# KiCad board C816Pro.kicad_pcb (continued)
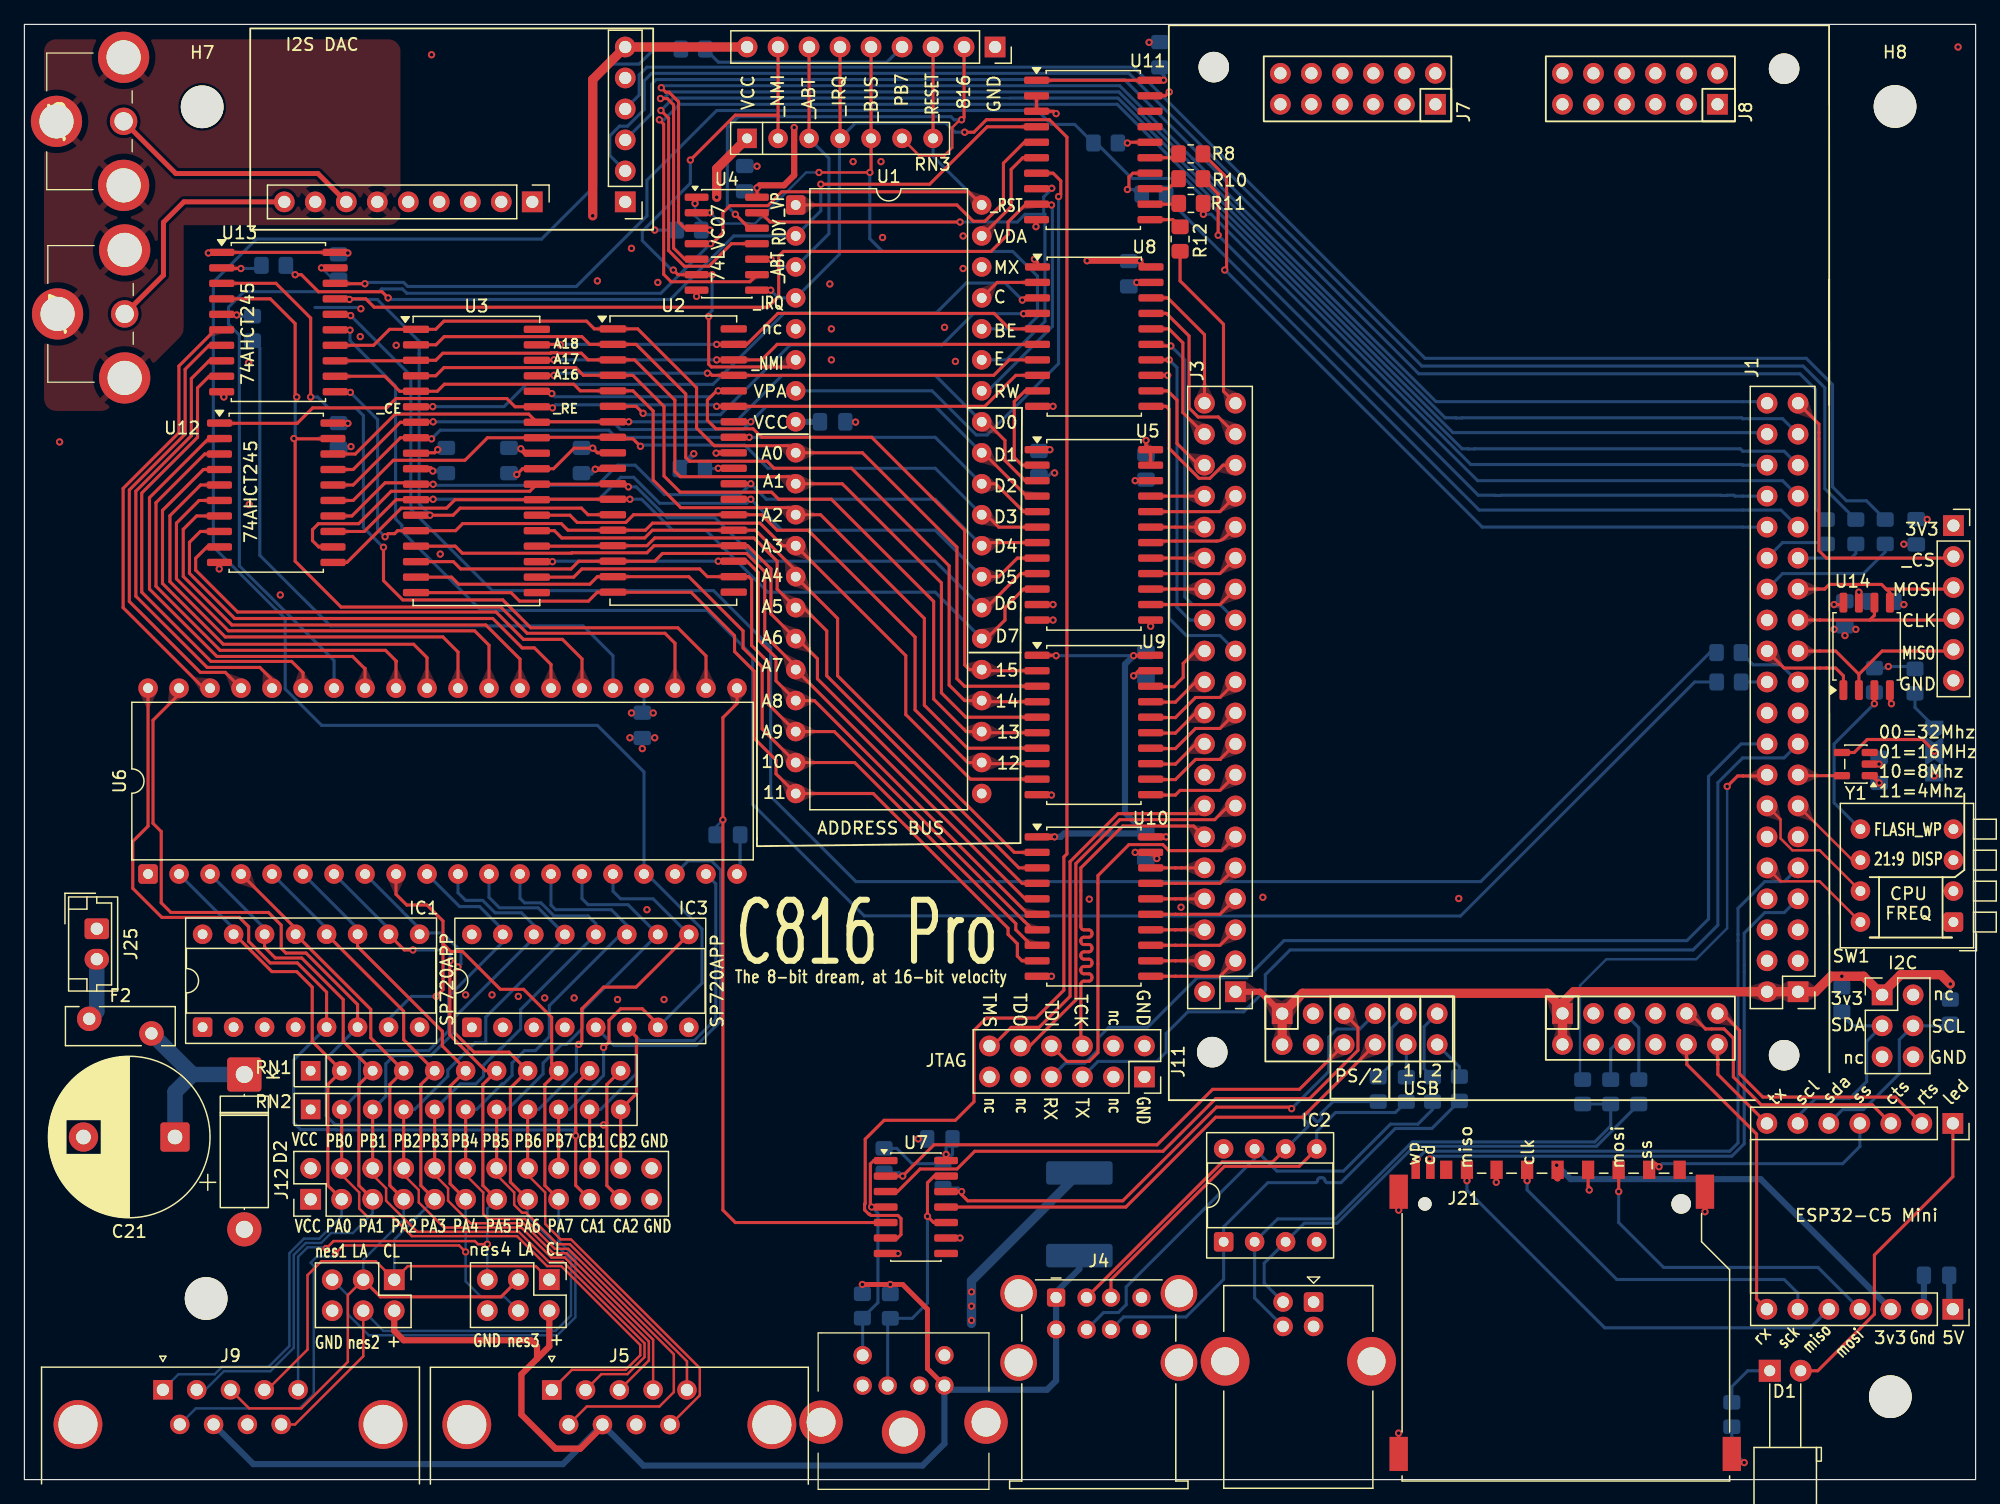
[diagram p0: board, top side]
## Routing (per net, layer and track width the routed paths; a pad name or vN(x,y) marks a point on that pad's centre or on a via; arc(x,y) is an arc through that point) (continued)
/A14: length 72.4
  Top w0.254: U3.2 33.73,93.05 34.4,93.73 45.68,93.73 46.32,93.09 U2.2 50.13,93.09 54.19,89.03 54.19,83.82 54.5,83.51 60.85,83.51 61.43,82.93 67.78,82.93 75.78,74.93 75.78,65.15 77.05,63.88 U1.24 78.54,63.79 U9.4
/A14_IOL8B: length 3.1
  Top w0.254: J3.22 95.97,65.41 NT43.2
/A15: length 61.2
  Top w0.254: 58.13,89.28 56.73,89.28 55.97,88.52 55.97,86.87 56.68,86.16 59.72,86.16 60.41,85.47 69.43,85.47 77.05,77.85 77.05,66.8 77.43,66.42 U1.25 78.54,66.33 U9.2 ; U3.32 43.03,89.24 v1(43.22,89.05)
  Bottom w0.254: 56.73,89.28 56.25,88.8 43.47,88.8 v1(43.22,89.05)
  vias: v1(56.86,89.28)
/A15_IOL2B: length 4.5
  Top w0.254: NT42.2 94.2,65.02 94.96,65.79 94.96,66.93 95.97,67.95 J3.24 96.7,67.8
/A16: length 41.7
  Top w0.254: 83.02,91.82 80.7,91.82 79.43,90.55 56.35,90.55 56.17,90.73 v1(55.97,90.73) ; U3.33 42.03,90.55 v1(43.4,90.55)
  Bottom w0.254: v1(55.97,90.73) 43.57,90.73 v1(43.4,90.55)
/A17: length 41.6
  Top w0.254: 83.02,93.09 61.68,93.09 60.41,91.82 v1(56.73,91.82) ; U3.34 43.36,91.78 v1(43.4,91.82)
  Bottom w0.254: v1(43.4,91.82) v1(56.73,91.82)
/A18: length 42.7
  Top w0.254: v1(56.73,93.09) 59.2,93.09 61.74,95.63 79.46,95.63 80.73,94.36 83.02,94.36 ; U3.35 42.03,93.09 43.87,93.09 v1(43.9,93.05)
  Bottom w0.254: v1(56.73,93.09) 43.94,93.09 v1(43.9,93.05)
/A_0: length 1.5
  Top w0.254: U9.17 92.32,63.75 NT43.1
/A_1: length 1.5
  Top w0.254: U9.15 92.32,61.21 NT44.1
/A_2: length 1.5
  Top w0.254: U9.13 92.32,58.67 NT45.1
/A_3: length 1.5
  Top w0.254: NT37.2 92.32,56.13 U9.11
/A_4: length 2
  Top w0.254: U10.18 NT29.1
/A_5: length 2
  Top w0.254: U10.17 94.33,48.89 NT33.1
/A_6: length 2
  Top w0.254: U10.16 NT28.1
/A_7: length 2
  Top w0.254: U10.15 94.33,46.35 NT32.1
/A_8: length 2
  Top w0.254: U10.14 NT27.1
/A_9: length 2
  Top w0.254: NT31.1 94.33,43.81 U10.13
/A_10: length 2
  Top w0.254: U10.12 NT26.1
/A_11: length 2
  Top w0.254: U10.11 94.33,41.27 NT30.1
/A_12: length 1.5
  Top w0.254: U9.12 92.32,57.4 NT36.2
/A_13: length 1.5
  Top w0.254: NT35.2 92.32,59.94 U9.14
/A_14: length 1.5
  Top w0.254: NT34.2 92.32,62.48 U9.16
/A_15: length 1.4
  Top w0.254: NT42.1 92.32,65.02 U9.18
/B11_IOL13A: length 4.9
  Top w0.254: J3.5 97.97,43.81 NT31.2
/B12_IOL7B: length 6.1
  Top w0.254: J3.19 97.97,61.59 95.97,61.59 NT35.1
/B13_IOL8A: length 6.1
  Top w0.254: J3.21 97.97,64.13 95.97,64.13 NT34.1
/B14_IOL2A: length 27.9
  Top w0.254: v1(93.69,90.55) U8.13
  Bottom w0.254: J3.23 97.97,69.21 95.21,69.21 93.81,70.61 93.81,90.42 v1(93.69,90.55)
/BE: length 55.4
  Top w0.203: v1(65.11,107.19) v1(69.28,107.19) ; U4.2 v1(56.2,103.89)
  Top w0.254: v1(69.28,107.19) 69.28,107.24 69.38,107.34 RN3.5 J17.5
  Bottom w0.203: v1(65.11,107.19) 64.06,107.19 59.86,103 57.09,103 v1(56.2,103.89)
  Bottom w0.254: U1.36 82,94.36 83.02,95.38 83.02,98.68 80.99,100.71 70.32,100.71 69.28,101.75 v1(69.28,107.19)
/BE.: length 1.1
  Top w0.203: v1(54.95,104.65) 54.95,104.9 55.08,105.03 U4.1
  Bottom w0.203: v1(54.95,104.65) NT54.2
/C10_IOR39A: length 5.6
  Top w0.254: J3.15 97.97,56.52 94.7,56.52 NT37.1
/C11_IOL15B: length 3.1
  Top w0.254: NT45.2 95.97,60.33 J3.18
/C12_IOL7A: length 3.1
  Top w0.254: J3.20 95.97,62.87 NT44.2
/C13_IOR32B_DONE: length 1.5
  Top w0.254: NT48.2 142.72,57.7 J1.16
/CA1: length 85.1
  Top w0.254: U6.40 10.13,53.58 8.88,52.33 8.88,48.49 11.26,46.1 17.61,46.1 18.38,45.34 18.38,44.14 20.15,42.37 22.36,42.37 24.76,39.97 IC1.5 ; v1(45.17,28.19) 45.17,29.21 ; 45.17,29.21 45.17,24.13 J12.19 ; 45.17,29.21 45.17,32.38 RN1.10
  Bottom w0.254: v1(45.17,28.19) 45.17,28.45 44.95,28.68 25.57,28.68 25.55,28.7 22.63,28.7 22.06,29.27 22.06,34.4 IC1.5
/CA2: length 84.5
  Top w0.254: 47.73,29.21 47.73,24.12 J12.21 ; 47.73,29.21 47.59,29.07 47.47,29.07 v1(47.46,29.08) ; 47.73,29.21 47.73,32.4 RN1.11 ; U6.39 12.67,64.4 10.54,62.27 10.54,53.81 11.21,53.14 11.21,47.3 12,46.51 20,46.51 21.04,45.47 21.04,43.56 21.42,43.18 23.08,43.18 27.3,38.95 IC1.6
  Bottom w0.254: v1(47.46,29.08) 44.89,29.08 44.88,29.09 44.78,29.09 44.78,29.08 25.74,29.08 25.71,29.11 25.46,29.11 24.73,29.84 24.73,34.52 IC1.6
/CB1: length 40.7
  Top w0.254: RN2.10 J12.20
  Bottom w0.254: 50.13,35.6 50.13,33.27 47.21,30.35 RN2.10 ; 50.13,35.6 48.31,35.6 IC3.5 ; 50.13,35.6 55.06,35.6 57.06,37.6 57.06,49.98 56.3,50.74 54.39,50.74 U6.18
/CB2: length 33.1
  Top w0.254: IC3.6 50.16,36.28 50.16,31.66 RN2.11 J12.22
  Bottom w0.254: U6.19 56.65,48.86 56.65,37.77 54.89,36 50.44,36 IC3.6
/CLK_IN: length 3.6
  Top w0.254: Y1.5 145.41,57.72 J1.15
/CLKVIA: length 155.4
  Top w0.254: U13.15 26.66,94.28 v1(26.68,94.26)
  Bottom w0.254: v1(26.68,94.26) 26.68,93.4 30.42,89.66 30.42,78.77 30.93,78.26 30.93,77.78 30.93,77.77 37.43,71.27 55.94,71.27 59.68,67.54 59.68,55.37 68.82,46.23 85.94,46.23 85.95,46.22 117.68,46.22 136.87,65.41 R13.1
/D0: length 65.1
  Top w0.254: 78.83,86.74 80.35,85.21 80.35,83.57 82,81.91 U5.3 ; v1(49.52,86.74) U2.7 42.03,86.74 U3.30 41.32,87.38 30.39,87.38 27.11,84.1 U12.18
  Bottom w0.254: v1(49.52,86.74) 58.28,86.74 62.09,90.55 74.64,90.55 U1.33
/D1: length 64.6
  Top w0.254: U5.4 82.13,80.64 78.83,83.95 78.83,84.2 ; v1(33.49,86.74) 32.13,86.74 U3.7 30.81,86.7 26.94,82.83 U12.17 ; v1(59.52,86.74) 58.13,86.74
  Bottom w0.254: v1(33.49,86.74) 48.22,86.74 48.86,86.11 58.89,86.11 v1(59.52,86.74) 60.79,88.01 74.64,88.01 U1.32
/D2: length 63.3
  Top w0.254: U5.5 81.88,79.38 79.6,81.66 78.83,81.66 ; v1(33.36,85.34) 33.27,85.43 U3.8 30.81,85.43 26.94,81.56 U12.16 ; v1(59.4,85.47) 58.13,85.47
  Bottom w0.254: v1(33.36,85.34) 34.07,86.06 47.89,86.06 48.48,85.47 59.4,85.47 v1(59.4,85.47) 74.64,85.47 U1.31
/D3: length 62.6
  Top w0.254: 82.99,78.1 79.84,78.1 78.83,79.12 ; v1(50.48,84.73) 49.87,85.34 48.35,85.34 U2.8 42.03,85.47 U3.29 37.95,85.43 36.1,83.58 30.23,83.58 26.94,80.29 U12.15
  Bottom w0.254: U1.30 74.64,82.93 60.92,82.93 59.02,84.84 50.58,84.84 v1(50.48,84.73)
/D4: length 64.2
  Top w0.254: v1(59.52,81.66) 58.13,81.66 ; U12.14 26.84,79.02 29.55,81.74 31.98,81.74 U3.11 v1(33.49,81.62) ; U5.7 79.09,76.83 78.83,76.58
  Bottom w0.254: U1.29 74.64,80.39 60.79,80.39 v1(59.52,81.66) 58.64,80.77 52.46,80.77 50.05,83.18 48.6,83.18 46.95,81.53 33.74,81.53 33.65,81.62 v1(33.49,81.62)
/D5: length 64.8
  Top w0.254: v1(59.52,80.39) 58.13,80.39 ; U5.8 81.37,75.56 79.84,74.04 78.83,74.04 ; U12.13 27.85,77.75 30.46,80.35 U3.12 32.13,80.39 v1(33.49,80.39)
  Bottom w0.254: v1(33.49,80.39) 47.08,80.39 48.88,82.19 49.93,82.19 52.06,80.06 59.19,80.06 v1(59.52,80.39) 62.06,77.85 74.64,77.85 U1.28
/D6: length 68.7
  Top w0.254: U5.9 81.62,74.29 80.35,73.02 80.35,73.02 78.83,71.5 ; v1(49.49,81.41) 49.24,81.66 U2.11 48.19,81.62 U3.26 41.41,81.04 30.05,81.04 27.39,78.38 24.09,78.38 23.61,77.9 23.61,76.99 24.12,76.48 U12.12
  Bottom w0.254: v1(49.49,81.41) 50.14,81.41 52.68,78.87 56.6,78.87 60.16,75.31 74.64,75.31 U1.27
/D7: length 66.5
  Top w0.254: U12.11 26.43,75.21 30.88,79.66 34.6,79.66 35.29,80.35 U3.25 ; 82.99,73.02 81.88,73.02 80.35,71.5 80.35,70.48 78.83,68.96 ; U3.25 42.72,80.35 42.76,80.39 U2.12 v1(49.62,80.39) ; U3.25 42.03,80.39
  Bottom w0.254: v1(49.62,80.39) 50.58,80.39 53.12,77.85 55.84,77.85 60.92,72.77 74.64,72.77 U1.26
/D10_IOL17A: length 40.7
  Top w0.254: U7.11 90.26,22.35 97.62,29.72 104.74,29.72 J6.8
/D11_IOL22A: length 47
  Top w0.254: J6.5 109.28,37.08 109.28,35.2 105.32,31.24 97.62,31.24 93.31,26.92 77.88,26.92 76.42,25.47 73.4,25.47 71.55,23.62 U7.3
/DATADIR: length 9
  Top w0.254: 83.02,89.28 81.99,89.28 81.11,88.4 81.11,83.82 81.75,83.18 82.99,83.18
/DIV: length 8.5
  Top w0.254: v1(156.5,59.74) 155.55,60.69 151.01,60.69 149.94,59.62 Y1.4 148.88,59.69
/E: length 43.4
  Top w0.254: v1(76.67,103.12) 61.11,103.12 60.35,103.89 U4.13 ; U11.8 82.98,105.89 v1(84.19,105.89)
  Bottom w0.254: U1.35 80.48,91.82 83.63,94.97 83.63,103.76 ; 83.63,103.76 83.53,103.86 83.53,105.18 84.19,105.84 v1(84.19,105.89) 84.09,105.79 84.04,105.79 ; 83.63,103.76 82,103.76 81.37,103.12 v1(76.67,103.12)
/E8_IOL45B_1V5: length 11.5
  Top w0.203: SW1.7 147.12,51.6 144.88,51.6 143.91,52.58 143.91,54.14 J1.14
/E9_IOL38B_1V5: length 7
  Top w0.203: SW1.6 149.79,50.8 J1.13
/E10_IOL17B: length 45.4
  Top w0.254: U7.12 v1(76.8,23.62) 76.8,23.37 77.3,22.86 90,22.86 97.69,30.54 103.72,30.54 v1(103.84,30.42)
  Bottom w0.254: v1(76.8,23.62) 76.51,23.91 R7.2 ; v1(103.84,30.42) 106.89,33.47 106.89,36.29 107.55,36.95 109.43,36.95 J6.7
/E.: length 2.5
  Top w0.254: 92.31,104.52 U11.12 94.53,104.59 R11.2
/EPS_CTS: length 19.8
  Top w0.254: NT38.2 139.28,36.96 140.04,36.19 140.04,33.02 142.33,30.73 151.42,30.73 J23.3
/ESP_3V3: length 33.4
  Top w0.508: v1(125.56,25.78) 125.56,24.77 125.64,24.7
  Bottom w0.508: J22.3 142.28,24.64 126.71,24.64 v1(125.56,25.78)
/ESP_CARD: length 41.2
  Top w0.254: v1(115.15,26.29) 115.15,25.63 115.21,25.57
  Bottom w0.254: NT39.2 140.93,27.54 139.92,26.52 115.38,26.52 v1(115.15,26.29)
/ESP_CS: length 20
  Top w0.254: 133.14,25.82 133.22,25.91 133.69,25.91 v1(133.95,25.65)
  Bottom w0.254: v1(133.95,25.65) 134.2,25.91 149,25.91 150.41,27.32 J23.4
/ESP_MISO: length 35.9
  Top w0.254: v1(118.21,24.51) 118.21,24.7
  Bottom w0.254: J22.5 146.34,12.45 129.5,12.45 118.21,23.74 v1(118.21,24.51)
/ESP_MOSI: length 26.3
  Top w0.254: 130.64,24.7 130.64,24.69 v1(130.64,23.62)
  Bottom w0.254: J22.4 146.98,17.4 134.33,17.4 130.64,21.08 v1(130.64,23.62)
/ESP_RTS: length 19.7
  Top w0.254: 155.49,29.21 153.33,31.37 142.46,31.37 140.55,33.27 NT25.2
/ESP_RX: length 22.8
  Top w0.254: NT23.1 141.95,28.33 141.95,14.81 142.79,13.97
/ESP_SCK: length 28
  Top w0.254: v1(123.14,24.51) 123.14,24.7
  Bottom w0.254: v1(123.14,24.51) 123.14,23.76 130.49,16.41 144.21,16.41 145.33,15.29 J22.6
/ESP_SCL: length 16.4
  Bottom w0.254: J23.6 145.33,29.8 146.77,31.24 149.57,31.24 150.96,32.64 150.96,35.94 152.23,37.21 149.82,37.21 148.93,38.1 R26.1
/ESP_SDA: length 15
  Bottom w0.254: J23.5 149,30.34 150.7,30.34 153.65,33.29 153.65,36.08 154.77,37.21 157.66,37.21 R25.1
/ESP_STATUS: length 26.3
  Top w0.254: J23.1 158.03,24.84 151.6,18.41 151.6,13.56 146.96,8.92 D1.2
/ESP_TX: length 6.5
  Top w0.254: 142.79,29.21 138.77,33.22 NT24.2
/ESP_WP: length 45
  Top w0.254: 113.88,24.83 113.88,26.03 v1(114.13,26.29)
  Bottom w0.254: v1(114.13,26.29) 114.77,26.93 139.75,26.93 140.42,27.6 NT40.2
/F10_IOL11A: length 44.2
  Top w0.254: 108.15,35.11 J6.6 104.48,32 97.37,32 92.82,27.45 74.53,27.45 v1(71.97,24.89) U7.2
  Bottom w0.254: R5.1 71.7,25.16 v1(71.97,24.89)
/F14_IOT9A: length 4.5
  Top w0.254: J3.28 94.32,73.03 94.32,73.02 92.16,73.02
/F16_IOT9B: length 7.5
  Top w0.254: U5.14 97.97,71.75 J3.27
/G14_IOT13B: length 4.4
  Top w0.254: 96.7,75.56 J3.30 92.29,75.57 U5.17
/G15_IOT13A: length 7.5
  Top w0.254: J3.29 97.97,74.29 U5.16
/I2S_BCK: length 129
  Bottom w0.254: 49.24,107.31 47.97,108.58 47.97,110.18 48.77,110.98 49.42,110.98 50.79,112.35 50.79,114.71 51.4,115.32 90.51,115.32 114.52,91.31 145.76,91.31 147.54,89.53 147.54,81.26 R32.1
/I2S_DIN: length 122.6
  Bottom w0.254: R31.1 146.77,79.61 146.77,89.41 145.5,90.68 114.26,90.68 90.13,114.81 51.78,114.81 51.4,114.43 51.4,112.01 49.24,109.85
/I2S_LRCK: length 125.9
  Bottom w0.254: 49.24,112.39 50.38,113.54 50.38,115.19 51.02,115.82 90.89,115.82 114.77,91.95 146.01,91.95 148.17,89.79 148.17,81.41 149.31,80.26 150.95,80.26 R27.1
/JTAG_TCK: length 32.2
  Top w0.254: J11.6 86.57,35.69 86.57,40.64 arc(86.64,40.81) 86.81,40.88 87.24,40.88 arc(87.41,40.95) 87.48,41.12 87.48,41.24 arc(87.41,41.41) 87.24,41.48 86.81,41.48 arc(86.64,41.55) 86.57,41.72 86.57,41.84 arc(86.64,42.01) 86.81,42.08 87.24,42.08 arc(87.41,42.15) 87.48,42.32 87.48,42.44 arc(87.41,42.61) 87.24,42.68 86.81,42.68 arc(86.64,42.75) 86.57,42.92 86.57,43.04 arc(86.64,43.21) 86.81,43.28 87.24,43.28 arc(87.41,43.35) 87.48,43.52 87.48,43.64 arc(87.41,43.81) 87.24,43.88 86.81,43.88 arc(86.64,43.95) 86.57,44.12 86.57,44.24 arc(86.64,44.41) 86.81,44.48 87.24,44.48 arc(87.41,44.55) 87.48,44.72 87.48,44.84 arc(87.41,45.01) 87.24,45.08 86.81,45.08 arc(86.64,45.15) 86.57,45.32 86.57,50.16 90,53.59 95.82,53.59 J3.12
/JTAG_TDI: length 32.2
  Top w0.254: 99.28,52.71 J3.11 98.11,51.58 93.79,51.58 93.29,52.07 90.51,52.07 87.97,49.53 87.97,35.02 87.25,34.29 85.43,34.29 J11.8
/JTAG_TDO: length 32.3
  Top w0.254: J3.13 98.67,55.25 97.54,54.12 89.77,54.12 86.16,50.52 86.16,39.34 82.38,35.56 J11.10
/JTAG_TMS: length 32.2
  Top w0.254: J11.12 79.34,35.56 80.86,37.08 83.15,37.08 85.69,39.62 85.69,50.67 89.62,54.61 96.07,54.61 J3.14
/L: length 19.4
  Top w0.406: J27.1 11.39,98.76 11.39,103.1 13.07,104.77 J24.9
/LVDS_IOR11_N: length 15.1
  Top w0.254: J3.39 98.26,89.25 98.26,94.74 94.7,98.3 94.7,100.73
  Bottom w0.254: 99.24,88.93 J3.39 99.14,88.27
/LVDS_IOR11_P: length 11.4
  Top w0.254: U8.18 93.69,96.9 96.7,93.89 J3.40 96.7,88.27
  Bottom w0.254: 96.57,88.4 J3.40
/LVDS_IOR17_N: length 5.4
  Bottom w0.254: R31.2 147.55,76.83 144.07,76.83 J1.30
/LVDS_IOR17_P: length 5.7
  Bottom w0.254: R32.2 150.08,75.95 149.7,75.57 J1.29
/LVDS_IOR20_N: length 14.5
  Top w0.254: J3.37 97.83,87.14 96.19,87.14 95.44,87.88 95.44,93.78 93.59,95.63 U8.17
/LVDS_IOR20_P: length 11.8
  Top w0.254: 96.39,85.73 J3.38 94.93,87.5 94.93,93.22 93.79,94.36 92.32,94.36 92.45,94.23
  Bottom w0.254: 96.7,85.72 J3.38
/LVDS_IOR24_N: length 4.6
  Bottom w0.254: NT61.2 143.95,79.5 J1.31
/LVDS_IOR24_P: length 1.5
  Bottom w0.254: NT62.2 142.8,78.1 J1.32
/LVDS_IOR40_N: length 4.9
  Top w0.254: J3.7 97.97,46.35 NT32.2
/LVDS_IOR40_P: length 1.9
  Top w0.254: J3.8 96.7,47.62 NT28.2
/LVDS_IOR44_N: length 5.9
  Bottom w0.254: R18.1 114.69,33.7 114.69,37.13 J6.11
/LVDS_IOR44_P: length 3.4
  Bottom w0.254: J6.12 117.59,33.85 R28.1
/LVDS_IOR49_N: length 6.5
  Top w0.254: J6.9 112.85,38.21
  Bottom w0.254: J6.9 112.04,37.02 112.04,34.1 R29.1
/LVDS_IOR49_P: length 2.7
  Bottom w0.254: R30.1 113.24,35.66 J6.10
/LVDS_IOT8_N: length 8
  Top w0.254: 91.78,79.37 94.83,79.37 94.83,79.38 97.97,79.38 J3.33
/LVDS_IOT8_P: length 4.4
  Top w0.254: U5.21 92.29,80.65 J3.34 96.7,80.64
/LVDS_IOT14_N: length 5.7
  Bottom w0.254: J1.21 143.93,66.82 141.66,66.82 R14.2
/LVDS_IOT14_P: length 2.3
  Bottom w0.254: R13.2 142.8,65.41 J1.22 142.68,65.53
/LVDS_IOT18_N: length 4.9
  Top w0.254: J1.24 144.2,66.55 NT51.1
/LVDS_IOT18_P: length 1.3
  Top w0.254: J1.23 145.35,67.94 NT66.1
/LVDS_IOT22_N: length 7.7
  Top w0.254: J3.31 98.39,77.25 arc(98.07,77.04) 97.69,76.96 94.33,76.96 91.97,76.96
/LVDS_IOT22_P: length 5.4
  Top w0.254: 96.23,78.11 J3.32 96.7,78.1 94.33,78.1 91.78,78.1
/LVDS_IOT32_N: length 5.9
  Bottom w0.254: R22.1 132.29,37.06 J2.5
/LVDS_IOT32_P: length 3.8
  Bottom w0.254: J2.6 130.38,35.69 129.99,35.3 R23.1
/LVDS_IOT36_N: length 1.3
  Top w0.254: J1.25 145.35,70.49 NT65.1
/LVDS_IOT36_P: length 0.4
  Top w0.254: 142.68,70.61 J1.26
  Bottom w0.254: 142.68,70.61 J1.26
/LVDS_IOT38_N: length 1.7
  Top w0.254: J1.27 145.35,73.03 NT64.1
/LVDS_IOT38_P: length 11.6
  Bottom w0.254: J1.28 144.07,74.29 150.71,74.29 152.49,76.07 R27.2
/LVDS_IOT40_N: length 9
  Top w0.254: 92.32,89.28 93.69,89.28 94.45,88.52 94.45,84.96 96.23,83.19 J3.36
/LVDS_IOT40_P: length 11.7
  Top w0.254: J3.35 98.23,83.19 97.15,82.11 96.26,82.11 93.81,84.55 93.81,87.76 93.56,88.01 U8.11
/LVDS_IOT44_N: length 24.7
  Top w0.254: v1(93.81,91.82) U8.14
  Bottom w0.254: J3.26 95.5,70.49 94.45,71.54 94.45,91.19 v1(93.81,91.82)
/LVDS_IOT44_P: length 27.7
  Top w0.254: U8.15 92.45,92.96 v1(93.94,92.96)
  Bottom w0.254: J3.25 97.97,71.75 95.72,71.75 95.08,72.39 95.08,91.82 v1(93.94,92.96)
/LVDS_RX1_N: length 3.1
  Top w0.254: J1.39 147.05,86.56 NT63.1
/LVDS_RX1_P: length 1.5
  Bottom w0.254: NT55.1 142.68,88.39 J1.40
/LVDS_TX1_N: length 1.2
  Top w0.254: J2.10 136.2,34.58 NT23.2
/LVDS_TX1_P: length 2.1
  Top w0.254: NT38.1 136.49,38.23 J2.9
/LVDS_TX2_N: length 2.4
  Top w0.254: NT25.1 139.15,38.23 J2.11
/LVDS_TX2_P: length 1.2
  Top w0.254: J2.12 138.74,34.57 NT24.1
/LVDS_TX3_N: length 1.5
  Bottom w0.254: NT60.2 142.8,80.64 J1.34
/LVDS_TX3_P: length 4.6
  Bottom w0.254: NT59.2 144.08,81.91 J1.33
/LVDS_TX4_N: length 4.5
  Bottom w0.254: NT58.1 144.2,84.33 J1.35
/LVDS_TX4_P: length 1.5
  Bottom w0.254: J1.36 142.8,83.18 NT53.1
/LVDS_TX5_N: length 4.6
  Bottom w0.254: J1.37 144.08,86.99 NT57.1
/LVDS_TX5_P: length 1.5
  Bottom w0.254: NT56.1 142.68,85.85 J1.38
/M11_IOR27B_FPGA_TXO: length 77.4
  Bottom w0.254: J11.7 85.29,34.15 86.89,34.15 87.97,35.23 87.97,36.19 88.86,37.08 92.04,37.08 96.1,41.15 100.16,41.15 103.21,44.2 136.23,44.2 138.01,45.97 138.01,57.66 140.68,60.33 J1.18
/MISO: length 13.7
  Top w0.254: 150.33,66.04 U14.2 ; 150.33,66.04 148.42,67.94 NT66.2 ; 150.33,66.04 152.23,67.94 157.95,67.94
/MOSI: length 12
  Top w0.254: 152.57,73.02 152.87,72.73 U14.5 ; 152.57,73.02 152.19,73.41 147.9,73.41 NT64.2 ; 152.57,73.02 157.95,73.02
/N6_IOR51A: length 4.9
  Top w0.254: NT30.2 97.97,41.27 J3.3
/N7_IOR47B: length 1.9
  Top w0.254: NT26.2 96.7,42.54 J3.4
/N9_IOR36B: length 1.9
  Top w0.254: J3.10 96.7,50.16 NT29.2
/PA0: length 60.8
  Top w0.254: IC1.15 17.22,44.72 20.28,41.66 22.31,41.66 23.58,40.39 23.58,35.94 RN1.2 24.87,32.4 24.87,24.12 J12.3
  Bottom w0.203: J12.3 26,21.59 24.17,19.76 22.91,19.76 21.72,18.57 21.72,10.95 20.01,9.25 16.2,9.25 15.59,8.64 12.62,8.64 J9.1
  Bottom w0.254: IC1.15 17.14,45.19 U6.2
/PA1: length 60.4
  Top w0.254: J12.5 27.41,24.12 27.41,32.4 RN1.3 26.12,35.94 26.12,39.37 22.72,42.77 20.56,42.77 19.68,43.65 IC1.14
  Bottom w0.203: J9.2 14.82,7.36 16.34,8.89 20.15,8.89 22.07,10.81 22.07,18.42 23.06,19.41 24.32,19.41 25.13,20.22 26.91,20.22 28.54,21.84 J12.5
  Bottom w0.254: U6.3 19.68,45.19 IC1.14
/PA2: length 74.1
  Top w0.203: J9.3 18.41,5.84 22.69,5.84 26.5,9.65 26.5,15.13 J15.3
  Top w0.254: J15.3 29.17,14.99 39.06,14.99 J14.3 ; J12.7 29.95,24.12 29.95,32.4 RN1.4 28.38,36.22 28.38,38.56 IC1.13 22.22,45.19 U6.4
  Bottom w0.203: J15.3 27.77,18.03 31.08,21.34 J12.7
/PA3: length 78.4
  Top w0.203: J9.4 19.9,7.36 23.2,10.67 23.2,16.76 24.35,17.91 28.79,17.91 J15.1 31.42,17.5 41.91,17.5 J14.1
  Top w0.254: J12.9 32.49,24.12 32.49,32.4 RN1.5 31.08,36.07 31.08,38.41 IC1.12
  Bottom w0.203: J15.1 30.31,19.68 J12.9 30.44,19.81
  Bottom w0.254: IC1.12 24.76,45.19 U6.5
/PA4: length 81.7
  Top w0.203: v1(36.16,18.67) 35.62,19.2 26.15,19.2 v1(25.49,18.54)
  Top w0.254: IC1.11 27.3,43.71 34.25,36.76 34.25,35.56 36.16,33.66 RN1.6 34.89,32.26 34.89,24.26 J12.11
  Bottom w0.203: J12.11 v1(36.16,18.67) 36.16,16.26 37.45,14.96 39.37,14.96 J14.4 ; v1(25.49,18.54) 25.23,18.29 23.96,18.29 23.46,17.78 23.71,17.53 23.71,7.01 22.55,5.84 14.05,5.84 J9.6
  Bottom w0.254: IC1.11 27.3,45.19 U6.6
/PA5: length 69.8
  Top w0.203: v1(24.73,18.95) 25.33,19.56 36.92,19.56 37.17,19.3 v1(37.93,19.3)
  Top w0.254: v1(31.84,43.43) 31.13,43.43 IC1.10 ; v1(34.88,42.54) 34.86,42.52 34.86,36.46 37.79,33.53 RN1.7 37.57,32.4 37.57,24.12 J12.13
  Bottom w0.203: v1(24.73,18.95) 24.63,19.05 23.2,19.05 22.43,18.28 J9.5 ; J12.13 37.93,22.22 J14.5
  Bottom w0.254: U6.7 29.84,45.19 IC1.10 ; v1(34.88,42.54) 34.88,43.18 34.63,43.43 v1(31.84,43.43)
/PA6: length 78.7
  Top w0.203: J15.4 27.77,10.12 22.17,4.53 J9.9
  Top w0.254: J12.15 39.83,24.4 39.83,32.12 RN1.8 39.71,35.05 36.84,35.05 35.27,36.63 35.27,41.78 v1(35.52,42.04)
  Bottom w0.203: J12.15 41.24,21.59 44.79,18.03 44.79,13.46 43.52,12.19 29.43,12.19 J15.4
  Bottom w0.254: U6.8 30.96,46.61 30.96,46.6 32.38,45.18 IC1.9 32.49,44.83 34.25,44.83 35.07,44.01 35.07,44.01 35.41,43.67 35.41,43.67 35.78,43.31 35.78,42.29 v1(35.52,42.04)
/PA7: length 79.2
  Top w0.254: 34.3,43.94 34.94,43.31 35.9,43.31 39.01,40.2 40.91,40.2 43.21,37.91 43.21,34.1 RN1.9 42.65,32.4 42.65,24.12 J12.17 ; 34.3,43.94 34.3,40.18 v1(33.74,39.62) ; 34.3,43.94 34.3,45.8 32.99,47.12 31.33,47.12 30.45,47.99 U6.9
  Bottom w0.203: J12.17 43.78,19.56 45.15,18.19 45.15,13.31 43.68,11.84 28.22,11.84 26.5,13.55 26.5,15.11 J15.5
  Bottom w0.254: IC1.7 29.84,37.75 31.71,39.62 v1(33.74,39.62)
/PB0: length 77
  Top w0.2: J5.1 44.87,9 49.27,9 50.47,10.2 50.47,11.04 43.99,17.51 42.83,17.51 40.37,19.97 31.75,19.97 30.12,21.6 28.07,21.6 27.43,22.23 27.43,23.55 26,24.99 J12.4
  Top w0.254: RN2.2 J12.4
  Bottom w0.254: RN2.2 27.46,31.81 27.46,34.61 28.03,35.18 33.14,35.18 34.76,36.8 34.76,39.62 39.2,44.07 IC3.15 39.2,45.08 37.3,46.99 35.66,46.99 U6.10
/PB1: length 72.2
  Top w0.2: J5.2 47.28,8.65 49.42,8.65 50.82,10.05 50.82,11.18 44.14,17.86 42.98,17.86 40.52,20.32 32.19,20.32 29.64,22.87 29.64,23.89 28.54,24.99 J12.6
  Top w0.254: RN2.3 J12.6
  Bottom w0.254: U6.11 35.53,48.12 36.16,47.5 37.55,47.5 38.57,46.48 40.73,46.48 41.74,45.47 IC3.14 41.74,44.4 35.19,37.85 35.19,36.65 33.31,34.77 30.29,34.77 29.62,34.1 29.62,31.43 RN2.3
/PB2: length 67.3
  Top w0.2: J5.3 51.17,9.77 51.17,11.33 44.29,18.21 43.18,18.21 40.73,20.67 34.37,20.67 32.32,22.73 32.32,23.75 31.08,24.99 J12.8
  Top w0.254: U6.12 38.07,49.28 ; RN2.4 J12.8
  Bottom w0.254: RN2.4 31.97,30.35 34.7,33.08 34.7,33.59 36.91,35.81 37.81,35.81 37.81,37.92 44.28,44.4 IC3.13 42.1,46.89 38.93,46.89 38.07,47.74 U6.12
/PB3: length 64.2
  Top w0.2: J12.10 33.62,24.99 34.72,23.89 34.72,22.87 36.56,21.02 40.87,21.02 43.33,18.56 44.43,18.56 51.52,11.47 J5.4
  Top w0.254: RN2.5 J12.10
  Bottom w0.254: RN2.5 35.71,32.45 36.99,32.45 37.62,33.08 37.62,33.98 39.01,35.37 39.08,35.37 40.67,36.96 40.67,38.54 IC3.12 46.82,45.59 46.19,46.23 43.4,46.23 42.33,47.29 40.98,47.29 40.61,47.66 U6.13
/PB4: length 74.3
  Top w0.2: J5.6 46.09,6 52.04,6 53.22,7.17 53.22,10.28 44.57,18.92 43.47,18.92 41.02,21.38 37.99,21.38 37.59,21.77 37.59,23.55 36.16,24.99 J12.12
  Top w0.254: RN2.6 J12.12 ; 42.67,49.66 U6.14
  Bottom w0.254: RN2.6 37.05,30.35 39.14,32.45 39.27,32.45 39.97,33.15 39.97,34.16 40.98,35.18 41.87,35.18 43.01,36.32 43.01,38.86 48.73,44.58 49.24,44.58 IC3.11 49.36,45.47 48.09,46.74 43.52,46.74 43.15,47.11 U6.14
/PB5: length 60.3
  Top w0.2: J5.5 54.29,9.7 44.69,19.3 43.69,19.3 41.11,21.88 40.78,21.88 40.13,22.53 40.13,23.55 38.7,24.99 J12.14
  Top w0.254: RN2.7 J12.14
  Bottom w0.254: RN2.7 39.59,30.35 42.51,33.27 42.51,34.16 44.03,35.69 44.41,35.69 45.75,37.02 45.75,38.54 IC3.10 49.47,47.14 46.19,47.14 45.69,47.64 U6.15
/PB6: length 64.3
  Top w0.2: J5.9 52.94,4.51 55.35,6.91 55.35,9.15 44.79,19.7 43.94,19.7 42.67,20.97 42.67,23.55 41.24,24.99 J12.16
  Top w0.254: RN2.8 J12.16 ; IC3.9 50.13,40.39 47.46,40.39 45.68,38.61 45.68,35.94 v1(45.43,35.69)
  Bottom w0.254: U6.16 48.23,48.25 48.86,47.62 51.52,47.62 IC3.9 54.44,44.58 ; RN2.8 42.13,30.35 45.24,33.46 45.24,35.5 v1(45.43,35.69)
/PB7: length 163.4
  Top w0.254: RN2.9 J12.18 ; v1(47.46,35.43) 47.9,35.88 47.9,37.66 48.86,38.61 50.63,38.61 51.9,37.34 IC3.7
  Bottom w0.254: v1(47.46,35.43) 47.46,33.14 44.67,30.35 RN2.9 ; R33.1 51.61,117.31 50.38,116.08 48.09,116.08 46.82,114.81 46.82,106.17 42.38,101.73 19.01,101.73 15.48,98.19 15.48,76.49 21.37,70.6 21.37,64.83 24.36,61.85 46.95,61.85 50.77,58.03 U6.17 51.02,49.66 55.52,45.15 55.52,40.7 IC3.7
/PHI2: length 5.3
  Top w0.254: 78.57,96.77 U1.37 79.72,98.17 83.02,98.17
/PHI2.2: length 2.6
  Top w0.254: v1(17.39,95.5) 16.22,95.5 U13.5
  Bottom w0.254: R1.1 17.49,95.4 v1(17.39,95.5)
/PHIVIA: length 52.9
  Bottom w0.254: U6.25 48.23,67.56 45.79,70 25.08,70 19.29,75.79 19.29,92.8 R1.2
/PS2DAT: length 22.5
  Top w0.254: U7.10 74.51,21.08 v1(74,21.59) 74,24.34 74.55,24.89 U7.13
  Bottom w0.254: v1(74,21.59) 74,14.48 72.75,13.22 R6.2 70.74,13.01 J10.1
/PSCLK: length 19
  Top w0.254: U7.4 v1(69.43,22.35) 69.32,22.46 69.32,25.88 69.6,26.16 U7.1
  Bottom w0.254: v1(69.43,22.35) 69.94,21.84 69.94,14.51 R4.1 68.69,13.22 J10.5
/R: length 21
  Top w0.406: J24.7 24.05,107.1 12.41,107.1 J26.1
/R9_IOR35A: length 4.9
  Top w0.254: NT33.2 97.97,48.89 J3.9
/RDY: length 69.9
  Top w0.2: 63.14,102.05 U1.2
  Top w0.254: v1(65.27,106.22) 74.18,106.22 78.89,110.94 U11.4 ; v1(29.81,96.9) 29.3,97.41 24.09,97.41 22.69,98.81 v1(22.19,98.81)
  Bottom w0.254: v1(29.81,96.9) 29.93,96.77 52.92,96.77 58.13,101.98 U1.2 65.27,104.04 v1(65.27,106.22) ; R19.2 v1(22.19,98.81)
/RDY.: length 135.4
  Top w0.254: v1(27.9,98.07) 25.49,98.07 U13.18 25.39,98.17
  Bottom w0.254: v1(27.9,98.07) 27.9,98.17 31.08,98.17 31.41,97.84 45.22,97.84 51.02,103.63 51.02,106.55 56.73,112.27 83.02,112.27 84.16,111.12 86.07,111.12 87.59,109.6 R17.1 87.85,109.6 90.7,106.75 90.75,106.75 90.8,106.7 95.06,106.7 118.53,83.24 140.76,83.24 NT53.2
/RDY..: length 2.7
  Top w0.254: v1(90.39,109.6) 90.45,109.67 U11.16
  Bottom w0.254: v1(90.39,109.6) R17.2
/RS0: length 36.3
  Top w0.254: U13.6 15.63,94.28 12.66,91.31 12.66,85.85 8.09,81.28 8.09,71.5 14.69,64.9 U6.38
/RS1: length 36.8
  Top w0.254: U6.37 16.46,66.19 14.41,66.19 8.6,72.01 8.6,81.15 13.17,85.72 13.17,91.04 15.14,93.01 U13.7
/RS2: length 37.5
  Top w0.254: U6.36 20.19,65 20.19,65.7 19.29,66.6 14.97,66.6 9.13,72.44 9.13,81.05 13.68,85.6 13.68,90.28 15.14,91.74 U13.8
/RS3: length 38.2
  Top w0.254: U6.35 22.83,66.16 21.9,67.09 15.29,67.09 9.61,72.77 9.61,80.9 14.19,85.47 14.19,89.52 15.14,90.47 U13.9
/RW: length 91.8
  Top w0.254: v1(26.63,96.77) 26.58,96.82 U13.17 27.97,96.82 28.66,96.14 60.92,96.14 61.81,97.03 61.81,100.33 62.19,100.71 79.21,100.71 80.61,102.11 80.61,103.12 82.07,104.59 U11.9 83.01,104.52 v1(84.16,104.52)
  Bottom w0.254: v1(84.16,104.52) 84.24,104.44 84.24,94.56 78.96,89.28 U1.34 ; NT52.1 32.35,93.34 28.92,96.77 v1(26.63,96.77)
/SCK: length 12.4
  Top w0.254: 151.22,70.48 151.6,70.87 U14.6 ; 151.22,70.48 147.15,70.48 NT65.2 ; 151.22,70.48 157.95,70.48
/T3_IOB52B_1V5: length 8.4
  Bottom w0.254: NT40.1 140.42,46.84 142.62,49.04 144.21,49.04 J1.9
/T4_IOB45B_1V5: length 9.5
  Top w0.203: J1.10 143.91,49.06 147.12,49.06 SW1.8
/T5_IOB54B_1V5: length 8.2
  Bottom w0.254: J1.7 144.21,46.5 142.62,46.5 140.93,44.81 NT39.1
/T13_IOR8B_FPGA_RXO: length 78.4
  Bottom w0.254: J1.17 144.2,59.18 140.8,59.18 138.77,57.15 138.77,45.47 136.74,43.43 103.72,43.43 101.69,41.4 101.69,40.13 99.91,38.35 95.34,38.35 93.56,36.58 93.56,35.05 92.8,34.29 87.97,34.29 J11.5
/UD1N: length 32.6
  Top w0.254: IC2.6 102.27,26.04 98.15,26.04 J4.2
  Bottom w0.254: IC2.6 105.15,28.91 arc(105.22,29.08) 105.15,29.25 104.82,29.58 arc(104.75,29.75) 104.82,29.92 104.91,30 arc(105.08,30.07) 105.24,30 105.85,29.4 arc(105.96,29.35) 106.07,29.4 106.28,29.6 arc(106.32,29.71) 106.28,29.82 arc(106.23,29.93) 106.28,30.04 107.23,31 R29.2
/UD1P: length 32.6
  Top w0.254: J4.3 89.04,16.4 98.33,25.69 104.46,25.69 IC2.5
  Bottom w0.254: R30.2 112.34,30.1 107.44,30.1 105.89,28.55 IC2.5
/UD2N: length 39.3
  Bottom w0.254: R18.2 115.39,30.35 114.19,29.15 111.94,29.15 108.09,25.3 102.63,25.3 IC2.7 100.81,26.32 90.29,15.8 90.29,14.35 89.64,13.7 88.43,13.7 J4.6
/UD2P: length 39.3
  Bottom w0.254: J4.7 90.07,13.34 95.19,13.34 98.27,16.42 IC2.1 98.27,20.73 101.89,24.35 105.77,24.35 arc(105.91,24.41) 105.97,24.55 arc(106.03,24.69) 106.17,24.75 106.37,24.75 arc(106.51,24.69) 106.57,24.55 arc(106.63,24.41) 106.77,24.35 107.89,24.35 112.34,28.8 115.34,28.8 R28.2
/UD3N: length 39.9
  Bottom w0.254: R22.2 128.83,27.33 113.88,27.33 107.57,21.02 104.88,21.02 IC2.3 101.59,17.74 101.59,16.11 J18.2
/UD3P: length 45.1
  Bottom w0.254: J18.3 100.81,14.89 IC2.2 102.69,21.38 107.42,21.38 113.73,27.69 128.68,27.69 129.99,29 R23.2 R21.2
/USB3_CON: length 35.1
  Top w0.254: v1(139.53,56.84) 140.39,57.7 NT48.1
  Bottom w0.2: v1(139.53,56.84) 139.53,45.21 136.99,42.67 129.63,42.67 127.48,40.52 127.48,33.01 R21.1
/VD0: length 37.2
  Top w0.254: U6.33 27.91,66.52 27.89,66.5 26.89,67.5 15.77,67.5 10.25,73.02 10.25,80.52 15.1,85.37 U12.2
/VD1: length 38.2
  Top w0.254: U12.3 14.77,84.1 10.78,80.11 10.78,73.25 16.04,68 29.59,68 30.49,67.1 30.45,67.06 U6.32
/VD2: length 38.7
  Top w0.254: U6.31 32.99,67.4 31.89,68.5 16.3,68.5 11.32,73.48 11.32,79.48 14.67,82.83 U12.4
/VD3: length 39.5
  Top w0.254: U6.30 35.53,67.86 34.29,69.1 16.46,69.1 11.93,73.63 11.93,79.04 14.44,81.56 U12.5
/VD4: length 40.3
  Top w0.254: U12.6 14.31,80.29 12.46,78.44 12.46,73.86 16.72,69.6 36.89,69.6 38.07,68.42 U6.29
/VD5: length 40.1
  Top w0.254: U12.7 14.11,79.02 13.02,77.93 13.02,74.07 17.01,70.08 37.81,70.08 40.61,67.28 U6.28
/VD6: length 40
  Top w0.254: U6.27 43.15,66.84 41.79,68.2 40.79,68.2 38.38,70.61 17.23,70.61 13.53,74.32 13.53,76.86 14.41,77.75 U12.8
/VD7: length 40.4
  Top w0.254: U12.9 14.96,76.48 14.03,75.55 14.03,74.57 17.46,71.15 38.65,71.15 40.89,68.9 44.09,68.9 45.69,67.3 U6.26
/VDA: length 8.9
  Top w0.254: U1.39 80.86,104.39 80.86,107.44 81.81,108.4 U11.6
/VDA.: length 4.3
  Top w0.254: U11.14 90.83,107.13 90.51,106.81 90.51,105.92 v1(90.39,105.79)
  Bottom w0.254: R9.2 91.27,105.41 90.89,105.79 v1(90.39,105.79)
/VPA: length 42.8
  Top w0.254: U11.7 84.3,107.13 84.92,106.5 84.92,105.38 v1(84.75,105.21)
  Bottom w0.254: v1(84.75,105.21) 84.75,91.51 78.9,85.66 78,85.66 74.38,89.28 U1.7
/VPA.: length 2.7
  Top w0.254: U11.13 93.75,105.86 R10.2
Net-(D1-K): length 4.9
  Bottom w0.254: R24.1 139.92,7.62 141.22,8.92 D1.1
Net-(J13-Pin_3): length 3.4
  Bottom w0.254: J13.3 154.93,63.32 R34.2
Net-(J17-Pin_2): length 43
  Top w0.2: v1(76.8,111.51) 76.67,111.51 76.03,110.87 76.03,109.22 75.4,108.58 73.32,108.58 RN3.6
  Top w0.254: v1(58.25,103.76) 59.4,102.62 U4.12 ; J17.2 77,111.71 v1(76.8,111.51)
  Bottom w0.254: v1(76.8,111.51) 76.18,111.51 75.93,111.76 58.51,111.76 57.6,110.85 57.6,104.42 v1(58.25,103.76)
Net-(J17-Pin_4): length 17.1
  Bottom w0.254: J17.4 70.68,116.23 56.87,116.23 R33.2
Net-(J25-Pin_2): length 5.1
  Bottom w1.27: J25.2 5.93,38.41 F2.1
Net-(NT59-Pad1): length 54.1
  Top w0.254: R11.1 96.59,104.41 96.61,104.39 v1(96.61,103.76)
  Bottom w0.254: v1(96.61,103.76) 97.24,103.76 119.09,81.92 NT59.1
Net-(NT60-Pad1): length 57
  Top w0.254: v1(97.82,102.04) 97.82,105.43 R10.1
  Bottom w0.254: v1(97.82,102.04) 119.14,80.72 120.48,80.72 120.5,80.7 120.98,80.7 121,80.72 139.02,80.72 139.04,80.7 139.52,80.7 139.54,80.72 140.09,80.72 140.17,80.65 NT60.1
Net-(NT61-Pad1): length 58.1
  Bottom w0.254: R9.1 93.56,105.16 119.21,79.5 NT61.1
Net-(NT62-Pad1): length 61.6
  Top w0.254: v1(98.36,99.19) 98.51,99.34 98.51,106.77 R8.1
  Bottom w0.254: v1(98.36,99.19) 98.39,99.19 119.47,78.11 NT62.1
Net-(U11-B7): length 2.7
  Top w0.254: U11.11 94.12,103.32 R12.2
Net-(U13-A0): length 3.4
  Top w0.254: U13.2 16.22,99.31 v1(17.74,99.31)
  Bottom w0.254: v1(17.74,99.31) 19.17,99.31 R19.1
Net-(U14-~{HOLD}/~{RESET}/IO_{3}): length 2.2
  Top w0.2: 150.44,72.02 U14.7
  Top w0.254: U14.7 v1(150.33,72.77)
  Bottom w0.254: R16.2 150.47,72.77 v1(150.33,72.77)

## Copper pours and planes (outline as drawn; the poured copper is in the pictures)
+3V3 on In2.Cu: 158.84,45.21 139.28,45.21 139.28,27.69 150.96,27.69 150.96,12.45 149.95,11.43 142.07,11.43 140.8,10.16 84.42,9.91 84.42,17.78 69.43,17.78 69.68,39.12 88.73,39.12 88.52,106.68 50.89,106.93 50.89,117.6 158.84,117.6
/AGND on Top: 1.61,118.11 30.82,118.11 30.82,102.87 13.04,102.87 13.04,93.98 6.69,87.63 1.61,87.63
/AGND on In1.Cu: 1.61,118.11 30.82,118.11 30.82,102.87 13.04,102.87 13.04,93.98 6.69,87.63 1.61,87.63
GND on Bottom: 6.69,86.36 14.31,93.98 14.34,102.39 32.47,102.34 32.47,118.11 159.09,118.11 159.09,1.27 1.1,1.27 0.85,86.36
GND on In1.Cu: 32.47,118.11 159.09,118.11 159.09,1.27 0.98,1.27 0.98,86.36 6.69,86.36 14.31,93.98 14.31,101.6 32.47,101.6
VCC on In2.Cu: 87.97,40 68.93,40.01 68.92,27.94 68.92,17.14 81.88,17.14 81.75,9.02 140.68,9.02 142.58,10.54 149.82,10.54 151.35,11.81 151.35,15.11 151.47,29.08 139.79,28.96 139.92,44.58 158.92,44.65 159.09,1.27 1.1,1.27 0.98,17.14 0.98,106.43 87.97,106.43

Small or netless copper shapes (teardrops, artwork), in the pictures only: 347 on Top, 69 on Bottom

## Text on the board
B.Silkscreen: 96/48/24Mhz | MASTERCLK / SPEED SEL | FPGA SERIAL DEBUG | _CSVIA | A1 | nc | A0 | A2 | A3 | A4 | A5 | A6 | A7 | A8 | A9 | _VP | RDY | VPA | A10 | A11 | _ABT | _IRQ | _NMI | PS/2 | D0 | D1 | D2 | D3 | D4 | D5 | D6 | D7 | MX | PHI2 | _RESET | VDA | BE | E | R/_W | A15 | A14 | A13 | A12 | GND | _CE1 | _RE | A17 | TMS | TCK | TDI | TDO | A16 | A18 | 3V3 | _WE | DLD | _CE2 | CLKVIA | _CSFLASH | A19 | A20 | LRCK | DIN | BCK | _CESD | 24 | 96 | 48 | CLK | DAT | jtag | PS2CLK | PS2DAT | USB1N | USB2N | I2S | CLKIN
F.Silkscreen: _CE | A18 | A17 | A16 | _RE | VCC | nes1 | GND | PB0 PB1 PB2 | PA0 PA1 PA2 | nes2 | LA | CL | PA3 PA4 PA5 | PB3 | PB4 | PB5 | nes3 | PB6 | PA6 PA7 CA1 CA2 | PB7 | CB1 | CB2 | _NMI | _IRQ | _RST | FLASH_WP | 21:9 DISP | MISO | Gnd | sck | miso | mosi | _VP | _ABT | RDY | _RESET | nc | The 8-bit dream, at 16-bit velocity | 1 | 2 | I2S DAC | + | nes4 | VPA | A0 | A2 | A3 | A4 | A5 | A6 | A7 | A8 | A9 | 10 | A1 | 11 | ADDRESS BUS | JTAG | VDA | MX | C | BE | E | RW | D0 | D1 | D2 | D3 | D4 | D5 | D6 | D7 | 15 | 14 | 13 | 12 | PS/2 | USB | ESP32-C5 Mini | 3v3 | SDA | 00=32Mhz / 01=16MHz / 10=8Mhz / 11=4Mhz | I2C | MOSI | _CS | CLK | 3V3 | SCL | 5V | CPU / FREQ | rx | tx | scl | sda | ss | cts | rts | led | 74AHCT245 | _BUS | 816 | wp | cd | clk | _ss | TMS | TDO | RX | TDI | TCK | TX | C816 Pro
